# Altium PCB JetsonXavier_v1.PcbDoc (continued)
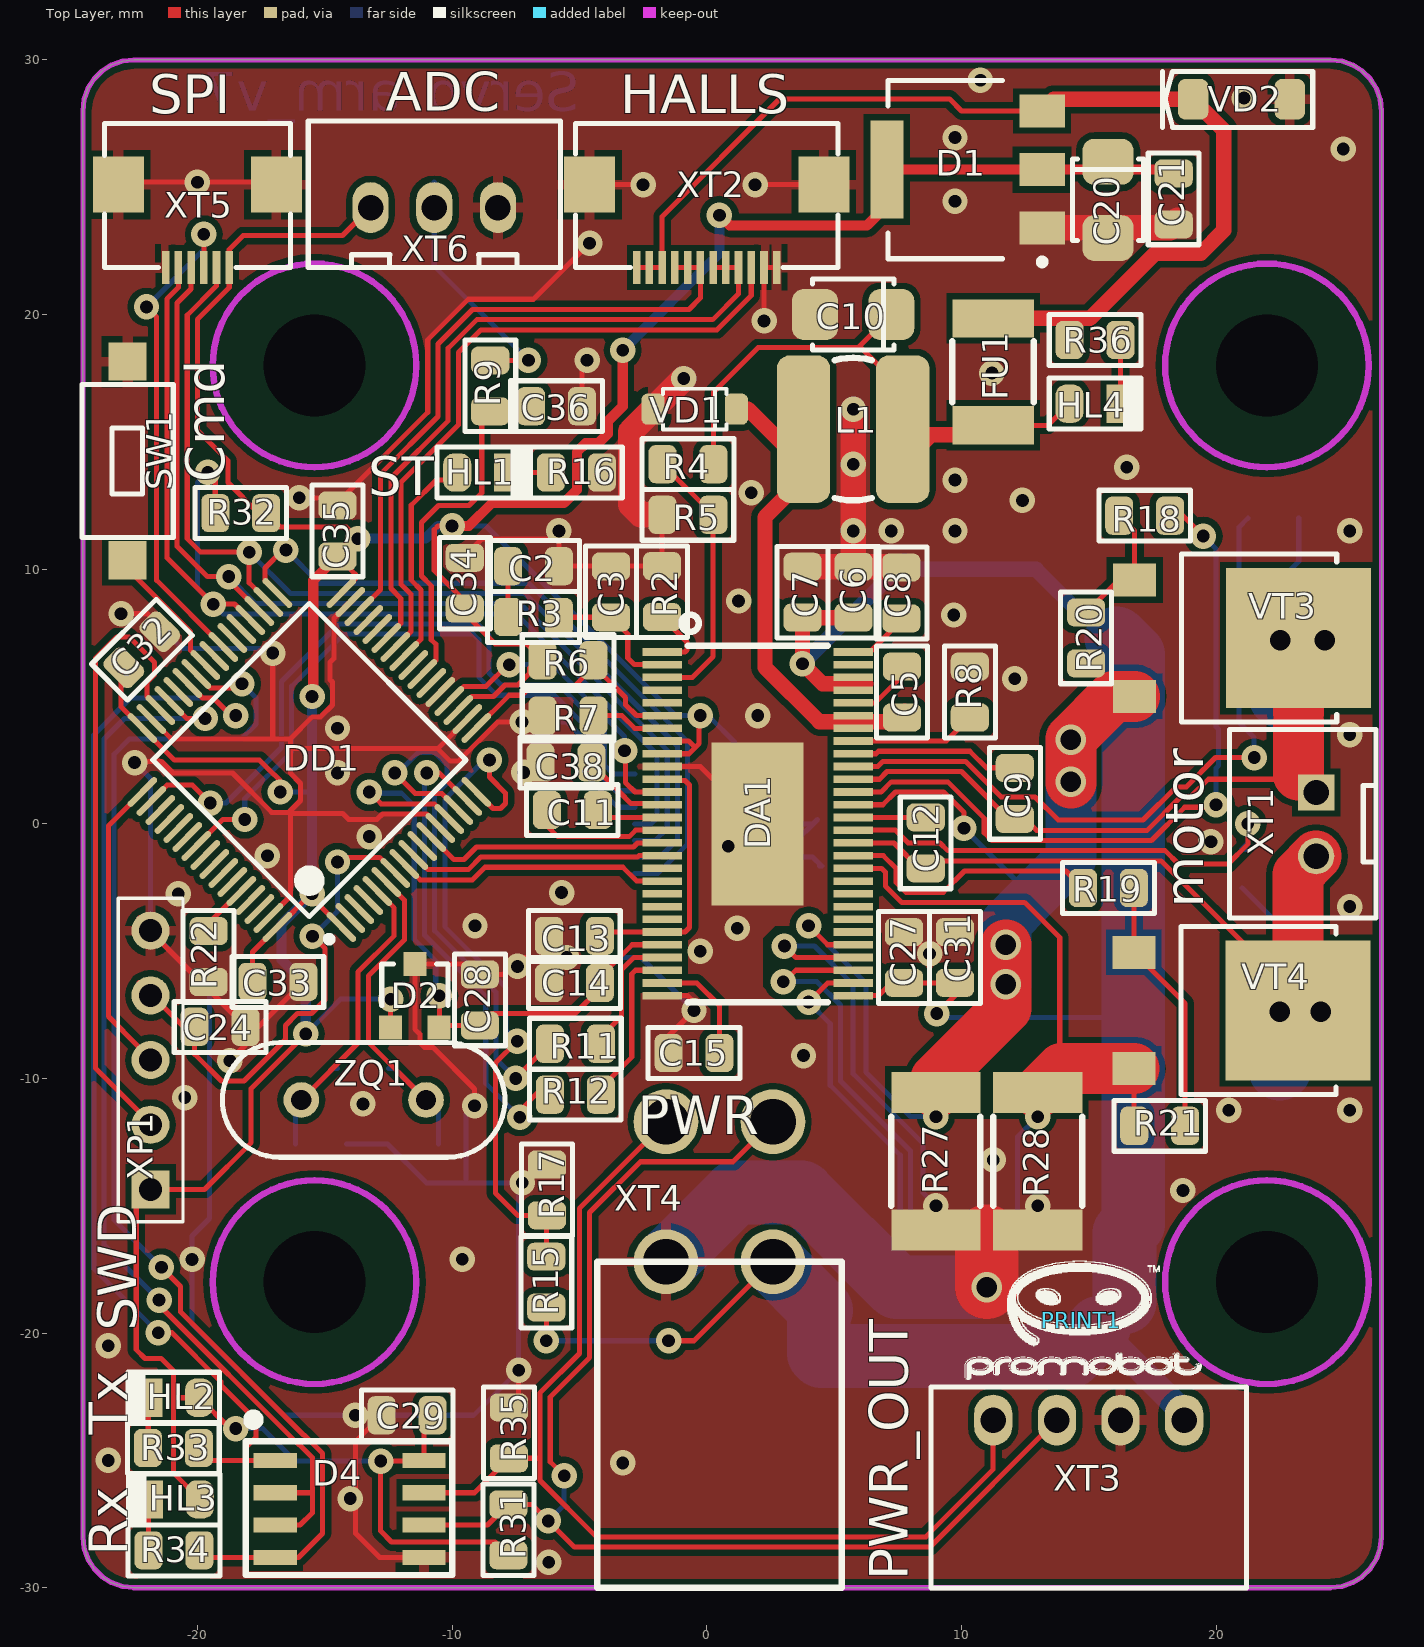
[diagram p0: Top Layer view]
## Nets (pads, with @x,y where several pads share a name; then routed paths per layer and width w, separated by ;. In a path a pad name is that pad's centre, name@x,y a point inside that pad or via, vN(x,y) a via of type N, cw(c..) or ccw(c..) an arc to the next point about the centre after c; other vN are vias at no path point)
3.3_INTERNAL: C13.2 DA1.11 DA1.23 | length 10.2
  Top Layer w0.2: C13.2@-4.031,-4.255 -1.755,-4.255 DA1.23 -0.852,-4.25 -0.675,-4.073 -0.675,1.524 -0.851,1.7 -1.7,1.7 DA1.11
3.3V: C20.1 C21.2 C29.2 C30.2 C32.2 C33.2 C34.2 C35.2 D1.2 D1.4 D2.1 D3.11 D3.12 D4.8 DA1.8 DA1.9 DD1.1 DD1.19 DD1.32 DD1.48 DD1.64 HL2.1 HL3.1 R6.1 R31.1 R32.1 XP1.1 XT5.1 XT6.1 | length 193.9
  Top Layer w0.2: C32.2@-22.998,6.043 -22.998,4.595 -20.903,2.5 -17.565,2.5 -16.996,1.931 -16.996,1.943 -16.75,1.697 v1(-16.75,1.25) ; HL3.1 -20.933,-25.505 -20.933,-22.444 ; v1(-18.5,-23.75) -18.721,-23.75 HL2.1 -20.837,-22.539 -20.933,-22.444 ; C33.2 -17.84,-5.031 DD1.64 -16.84,-4.052 v1@-15.537,-2.75 ; v1(-15.745,-8.25) -17.891,-10.397 -17.891,-12.522 -19.726,-14.357 XP1.1 -22.404,-14.919 -22.404,-20.652 -22.056,-21 -21.424,-21 -20.933,-21.491 -20.933,-22.444 ; v1@-15.537,-2.865 DD1.1 ; C35.2 -13.8,9.803 -13.8,9.615 DD1.32 ; v1(-13.7,11.2) -13.751,11.251 -14.153,11.653 -16.753,11.653 R32.1 -17.6,12.2 -18.8,13.4 -18.8,14.257 -20,15.457 -20,19.471 -20,19.81 -18.75,21.06 XT5.1 -18.75,22.55 -18.2,23.1 -14.3,23.1 XT6.1 ; D2.1 v1(-12.412,-6.885) ; C29.2@-11.1,-23.564 D4.8 -11.126,-25.026 v1(-12.804,-25.026) -12.804,-27.777 -12.377,-28.203 -8.312,-28.203 R31.1 ; v1(-10,11.7) -10.55,11.7 -10.701,11.549 -10.701,9.951 -9.578,8.828 -9.195,8.828 -9.447,8.577 -9.447,8.203 -8.313,7.069 -7.089,7.069 R6.1 -6.644,6.423 -6.95,6.118 -6.95,5.919 -7.419,5.45 -7.924,5.45 -8.375,4.999 -9.223,4.999 DD1.19 ; R6.1@-6.443,6.404 R6.1@-6.197,6.404 ; DA1.9 -0.696,2.75 -0.453,2.993 ; DA1.8 -0.71,3.25 -0.453,2.993 ; v1(-0.25,4.25) -0.299,4.201 -0.299,3.146 -0.453,2.993
  Top Layer w0.4: v1(-15.5,5) -15.45,5.05 -15.45,9.553 C35.2 -13.7,11.303 v1(-13.7,11.2) ; v1(-10,11.7) -9.333,11.7 -8.433,12.6 -5.6,12.6 -5.6,12.608 -5.1,13.108 -5.1,14.6 -4.754,14.946 -4.254,14.946 -3.886,15.314 -3.886,15.814 -3.3,16.4 v1(-3.3,18.6) ; v1(0.5,23.9) 0.9,23.5 6.3,23.5 7,24.2 7,25.618 D1.4 D1.2 18.188,25.691 C21.2
  Bottom Layer w0.2: v1(-18.5,-23.75) -17.437,-23.75 -16.161,-25.026 v1(-12.804,-25.026) ; v1(-16.75,1.25) -15.501,1.25 -15.5,1.251 ; v1(-15.745,-8.25) -14.379,-6.885 v1(-12.412,-6.885) ; v1(-10,11.7) -8.666,11.7 -1.216,4.25 v1(-0.25,4.25) ; v1@0.159,4.15 1.094,3.215 1.094,0 D3.11 2.83,-0.005 C30.2@4.172,-0.005 ; D3.12 3.527,-0.65 C30.2@4.172,-0.005 ; C30.2@4.347,0.17 C30.2@4.172,-0.005
  Bottom Layer w0.4: v1(-15.745,-8.25) -15.745,-6.297 -16.7,-5.341 -16.7,-3.95 v1@-15.54,-2.79 ; v1(-15.5,-2.75) -15.5,1.251 v1(-15.5,5) ; v1(-13.7,11.2) -11.05,11.2 -10.55,11.7 v1(-10,11.7) ; v1(-3.3,18.6) 0.5,22.4 v1(0.5,23.9)
5V: D1.3 FU1.2 R36.1 VD2.1 XT2.10 XT2.11 XT2.12 | length 42.3
  Top Layer w0.2: XT2.12 XT2.11 XT2.10 -1.75,23.85 2.861,28.461 9.539,28.461 10.009,27.991 D1.3
  Top Layer w0.6: FU1.2 15.05,19.85 17.6,22.4 19.4,22.4 20.3,23.3 20.3,27.25 VD2.1 13.632,28.45 D1.3
5VGEN: C10.1 FU1.1 HL4.1 L1.2 R4.1 | length 22.1
  Top Layer w0.2: R4.1 0.264,16.947 2.016,18.7 5.95,18.7 6,18.75 ; C10.1 6,18.75 ; L1.2 7.7,17.05 6,18.75 ; FU1.1 13.4,15.65 HL4.1
  Top Layer w0.6: L1.2@7.671,14.135 8.811,15.274 FU1.1@10.919,15.274
33V: C6.1 C7.1 C16.1 C17.1 C18.1 C19.2 C22.2 C23.2 C27.2 C31.2 C37.1 DA1.29 DA1.53 DA1.54 R15.1 VT1.2 VT2.2 XT3.1 XT4.1 | length 93.1
  Top Layer w0.2: v1(-6.3,-20.3) R15.1 ; v1(-1.5,-20.3) -0.5,-20.3 XT4.1 ; DA1.29 6.75,-6.75 7.25,-6.25 C31.2@9.25,-6.25 ; v1(9.037,-7.453) 9.75,-6.74 C31.2
  Top Layer w0.6: C6.1 5.762,8.095 C7.1 3.757,8.091 v1(3.757,6.286) 4.543,5.501 6.25,5.501
  Bottom Layer w0.2: v1(-6.3,-20.3) v1(-1.5,-20.3) ; v1(9.037,-7.453) 9.184,-7.6 15.795,-7.6 VT2.2
  Bottom Layer w0.4: VT1.2@14.796,8.131 VT1.2@15.2,8.131
  Bottom Layer w0.6: v1(3.757,6.286) 7.463,9.992 12.936,9.992 VT1.2@14.796,8.131
  Bottom Layer w1: 16.406,-18.794 15.4,-19.8 18.75,-23.15 XT3.1
  Bottom Layer w2.5: XT4.1 4.5,-19.1 4.4,-19.2 4.4,-20.8 4.5,-20.9 C18.1 C16.1 C37.1 14.3,-20.9 15.4,-19.8 ; VT1.2 16.75,6.629 16.75,-15.725 16.406,-16.069 16.406,-18.794
485_A: D4.6 R31.2 XT3.3 XT4.3 | length 49.9
  Top Layer w0.2: D4.6 -8.605,-27.54 R31.2 -6.875,-26.725 v1(-6.225,-27.375) -5.2,-28.4 8.766,-28.4 XT3.3 ; v1(-5.6,-25.6) -6.146,-25.054 -6.146,-22.512 -4.6,-20.966 -4.6,-15.266 -2.604,-13.27 1.03,-13.27 XT4.3
  Bottom Layer w0.2: v1(-6.225,-27.375) -5.6,-26.75 v1(-5.6,-25.6)
485_B: D4.7 R35.1 XT3.4 XT4.4 | length 43
  Top Layer w0.2: D4.7 -9.122,-26.27 R35.1 -6.546,-24.916 ; XT4.4 -5,-15.1 -5,-20.8 -6.546,-22.346 -6.546,-24.916 ; XT3.4 11.25,-25.35 8.6,-28 -4.334,-28 -6.546,-25.788 -6.546,-24.916
ADC1/POS1: DD1.27 XT2.4 XT2.5 XT2.6 | length 27
  Top Layer w0.2: DD1.27 -12.016,7.863 -12.016,8.85 -12.404,9.237 -12.404,13.578 -10.154,15.827 -10.154,18.675 -9.029,19.8 -7.4,19.8 0.234,19.8 1.25,20.816 XT2.4 XT2.5 XT2.6
ADC2/POS2: DD1.30 XT2.7 XT2.8 XT2.9 | length 25
  Top Layer w0.2: DD1.30 -12.804,9.197 -12.804,13.743 -10.554,15.993 -10.554,18.84 -9.195,20.2 -0.7,20.2 -0.25,20.65 XT2.7 XT2.8 XT2.9
AS_CS: D3.1 DD1.33 | length 27.9
  Top Layer w0.2: DD1.33 -17.349,9.553 -17.349,10.048 -16.647,10.75 v1(-16.526,10.75)
  Bottom Layer w0.2: v1@-16.636,10.75 v1(-16.526,10.75) -15.223,9.447 -6.979,9.447 -0.75,3.218 -0.75,-0.781 -1.919,-1.95 D3.1
AS_CS_OUT: DD1.39 XT5.3 | length 19.8
  Top Layer w0.2: v1(-22,20.299) -21.6,19.899 -21.6,9.561 DD1.39 ; XT5.3 v1(-19.75,23.15) v1@-19.7,23.2
  Bottom Layer w0.2: v1(-22,20.299) -19.75,22.549 v1(-19.75,23.15)
AS_MISO: D3.3 DD1.35 XT5.4 | length 40.1
  Top Layer w0.2: XT5.4 -20.25,21 -20.8,20.45 -20.8,19.802 -20.8,10.9 -19.611,9.711 v1(-18.769,9.711) -18.769,9.559 DD1.35
  Bottom Layer w0.2: v1(-18.769,9.711) -17.706,8.647 -7.31,8.647 -1.55,2.887 -1.55,-0.182 -2.018,-0.65 D3.3
AS_MOSI: D3.4 DD1.36 R32.2 XT5.5 | length 46.5
  Top Layer w0.2: XT5.5 -20.75,21.066 -21.2,20.616 -21.2,19.968 -21.2,10.444 v1(-19.384,8.628) -18.545,8.628 DD1.36 ; v1(-19.6,13.8) -19.3,13.5 R32.2
  Bottom Layer w0.2: v1(-19.6,13.8) -20,13.4 -20,9.244 v1(-19.384,8.628) -19.003,8.247 -7.476,8.247 -1.95,2.721 -1.95,0.976 ; D3.4 -2.182,0 -1.95,0.232 -1.95,0.974
AS_SCK: D3.2 DD1.34 XT5.2 | length 41.6
  Top Layer w0.2: XT5.2 -19.25,21.126 -20.4,19.976 -20.4,19.636 -20.4,11.198 -19.871,10.669 v1(-17.969,10.669) -17.969,9.466 DD1.34
  Bottom Layer w0.2: v1(-17.969,10.669) -16.348,9.047 -7.145,9.047 -1.15,3.052 -1.15,-0.615 -1.835,-1.3 D3.2
BR_SO1: DD1.14 R11.2 | length 22.2
  Top Layer w0.2: DD1.14 -10.406,1.195 -11.445,1.195 v1(-12.25,2) ; v1(-7.5,-10) -7.5,-9.978 R11.2 ; v1@-12.506,1.971 -12.535,2 v1@-12.477,2 ; v1@-12.506,1.971 v1@-12.477,2 ; v1@-12.506,1.971 -12.392,1.858 v1(-12.25,2) ; v1@-12.477,2 v1(-12.25,2)
  Bottom Layer w0.2: v1(-12.25,2) -12.131,2 -11.331,2.8 -10.669,2.8 -10.2,2.331 -10.2,1.602 -10.685,1.117 -10.685,-4.204 -8.277,-6.612 -8.277,-9.223 v1(-7.5,-10)
BR_SO2: DD1.15 R12.2 | length 18.6
  Top Layer w0.2: v1(-11,2) -10.503,2 DD1.15 ; v1(-7.347,-11.521) -7.347,-11.267 -6.499,-10.419 -6.499,-10.268 R12.2@-6.19,-10.268
  Bottom Layer w0.2: v1@-11.085,1.6 -11.085,-4.37 -8.677,-6.778 -8.677,-10.191 v1(-7.347,-11.521)
BTN1: DD1.41 SW1.1 | length 5.4
  Top Layer w0.2: SW1.1 -22.75,10.018 -20.266,7.535 -20.266,6.813 DD1.41
CS485: D4.2 D4.3 DD1.45 | length 42.9
  Top Layer w0.2: v1(-21.505,-18.704) -21.505,-18.893 -15.998,-24.4 -15.976,-24.4 -15.489,-24.887 -15.489,-26.27 ; DD1.45 -20.419,4.138 v1(-19.702,4.138) v1@-19.702,4.114 ; D4.3 -15.968,-27.54 -15.489,-27.061 -15.489,-26.27 ; D4.2 -15.489,-26.27
  Bottom Layer w0.2: v1(-21.505,-18.704) -23.671,-16.539 -23.671,3.327 -22.86,4.138 v1(-19.702,4.138)
DC_CAL: DA1.12 DD1.20 | length 12.1
  Top Layer w0.2: DD1.20 -9.53,5.399 -8.665,5.399 -7.815,6.25 v1(-7.75,6.25) ; v1(-3.225,2.865) -3.186,2.825 -3.186,1.617 -2.819,1.25 DA1.12
  Bottom Layer w0.2: v1(-7.75,6.25) -6.045,6.25 -3.225,3.43 v1(-3.225,2.865)
DETECT_POS: DD1.26 XT2.3 | length 26.4
  Top Layer w0.2: DD1.26 -11.616,7.556 -11.616,9.016 -12.004,9.403 -12.004,13.412 -9.754,15.662 -9.754,18.509 -8.863,19.4 0.4,19.4 1.75,20.75 XT2.3
EN_GATE: DA1.16 DD1.11 | length 9.7
  Top Layer w0.2: DD1.11 -9.932,-1.4 -9.531,-1.4 -9.037,-0.906 -2.879,-0.906 -2.723,-0.75 DA1.16
ENC_A: D3.7 DD1.50 | length 28.1
  Top Layer w0.2: DD1.50 -21.191,1.517 -20.198,1.517 v1(-19.496,0.814)
  Bottom Layer w0.2: v1(-19.496,0.814) -18.883,0.814 -16.7,2.997 -16.7,5.587 -14.44,7.847 -8.999,7.847 -8.55,7.398 -8.55,5.919 -8.081,5.45 -5.81,5.45 -4.025,3.665 -4.025,2.315 -3.659,1.95 D3.7
ENC_B: D3.6 DD1.55 | length 26.9
  Top Layer w0.2: DD1.55 -19.003,0.17 v1(-18.142,0.17)
  Bottom Layer w0.2: v1(-18.142,0.17) -18.142,0.989 -16.3,2.831 -16.3,5.401 -14.254,7.447 -9.165,7.447 -8.95,7.232 -8.95,5.753 -8.247,5.05 -5.976,5.05 -4.425,3.499 -4.425,2.15 -3.575,1.3 D3.6
FAULT: DA1.6 DD1.17 R6.2 | length 9.5
  Top Layer w0.2: DD1.17 -7.759,5.05 -7.253,5.05 -6.979,5.324 -5.277,5.324 R6.2@-4.197,6.404 ; R6.2@-4.041,6.235 -4.041,5.815 -3.186,4.959 -3.186,4.674 -2.762,4.25 DA1.6
GH_A: DA1.47 R13.2 | length 27.6
  Top Layer w0.2: DA1.47 6.716,2.25 6.916,2.45 10.168,2.45 11.568,1.05 12.895,1.05 13.8,0.145 17.132,0.145 18.437,1.45 18.834,1.45 19.984,2.6 v1(21.5,2.6)
  Bottom Layer w0.2: R13.2 20.9,11.65 20.9,3.992 21.5,3.392 v1(21.5,2.6)
GH_B: DA1.42 R14.2 | length 18.5
  Top Layer w0.2: DA1.42 7.416,-0.25 7.916,-0.75 9.163,-0.75 9.468,-1.055 18.004,-1.055 18.525,-1.575 20.475,-1.575 21.25,-0.8 v1(21.25,0)
  Bottom Layer w0.2: R14.2 21,-1 21.25,-0.75 v1(21.25,0)
GL_A: DA1.45 R18.2 | length 28.8
  Top Layer w0.2: DA1.45 6.85,1.25 7.25,1.65 9.466,1.65 10.9,0.216 10.9,-0.355 11.2,-0.655 17.464,-0.655 18.768,0.65 19.9,0.65 v1(20,0.75) ; R18.2 18.7,12.1 v1(19.5,11.3)
  Bottom Layer w0.2: v1(19.5,11.3) 20,10.8 20,3.813 20.1,3.713 20.1,2.287 20,2.187 v1(20,0.75)
GL_B: DA1.40 R19.2 | length 10.6
  Top Layer w0.2: DA1.40 6.937,-1.25 7.443,-1.757 7.443,-2.306 7.827,-2.69 9.287,-2.69 10.122,-1.855 14.111,-1.855 R19.2
H1: DA1.17 DD1.9 | length 10.2
  Top Layer w0.2: DD1.9 -10.946,-1.8 -9.366,-1.8 -8.872,-1.306 -2.713,-1.306 -2.657,-1.25 DA1.17
H2: DA1.19 DD1.8 | length 10.8
  Top Layer w0.2: DD1.8 -11.253,-2.2 -9.2,-2.2 -8.706,-1.706 -3.294,-1.706 -2.75,-2.25 DA1.19
I: D3.14
MTR_TMP: DD1.10
NetC2_2: C2.2 R3.1 | length 2
  Top Layer w0.2: R3.1 C2.2
NetC3_1: C3.1 DA1.2 R3.2 | length 5.4
  Top Layer w0.2: R3.2 -5.791,8.11 C3.1 -3.1,7.454 -3.1,6.511 -2.839,6.25 DA1.2
NetC5_1: C5.1 DA1.52 | length 3.1
  Top Layer w0.2: DA1.52 6.616,4.75 7.852,5.986 C5.1@7.852,6.423
NetC5_2: C5.2 DA1.50 DA1.51 L1.1 VD1.1 | length 18.6
  Top Layer w0.6: VD1.1 1.623,16.283 3.771,14.135 3.771,13.521 2.291,12.041 2.291,6.138 4.421,4.008 7.349,4.008 C5.2@7.773,4.432
NetC8_2: C8.2 DA1.56 | length 2.6
  Top Layer w0.2: DA1.56 6.41,6.75 C8.2@7.769,8.109
NetC9_1: C9.1 DA1.48 | length 7.1
  Top Layer w0.2: DA1.48 6.65,2.75 6.75,2.85 10.334,2.85 10.984,2.2 C9.1@12.5,2.2
NetC11_1: C11.1 DA1.15 | length 5.4
  Top Layer w0.2: C11.1 -6.277,-0.077 -5.848,-0.506 -3.044,-0.506 -2.789,-0.25 DA1.15
NetC11_2: C11.2 DA1.14 | length 2.3
  Top Layer w0.2: C11.2@-4.031,0.248 -1.752,0.248 DA1.14
NetC12_1: C12.1 DA1.43 | length 3.2
  Top Layer w0.2: DA1.43 C12.1@9,0.25
NetC15_2: C15.2 DA1.27 | length 4.5
  Top Layer w0.2: DA1.27 -0.387,-6.25 0.5,-7.137 C15.2
NetC38_2: C38.2 DA1.13 | length 3.2
  Top Layer w0.2: C38.2@-4.356,2.15 -4.037,1.831 -4.037,1.858 -3.773,1.594 -3.764,1.594 -3.427,1.257 -3.427,1.248 -2.979,0.8 -1.8,0.8 DA1.13
NetDA1_1: DA1.1 R2.2 | length 2.7
  Top Layer w0.2: R2.2 -0.776,7.139 -0.776,6.826 -0.852,6.75 DA1.1
NetDA1_3: DA1.3 R4.2 R5.1 | length 10.7
  Top Layer w0.2: DA1.3 -0.568,5.75 0.251,6.57 0.251,12.134 R4.2
NetDA1_7: DA1.7 R7.1 | length 2.5
  Top Layer w0.2: R7.1@-4.036,4.246 -3.324,4.246 -2.827,3.75 DA1.7
NetDA1_25: DA1.25 R11.1 | length 4.6
  Top Layer w0.2: R11.1@-4.031,-8.248 -3.343,-7.56 -3.343,-5.73 -2.864,-5.25 DA1.25
NetDA1_26: DA1.26 R12.1 | length 6.1
  Top Layer w0.2: R12.1@-4.031,-10.252 -2.943,-9.164 -2.943,-5.895 -2.798,-5.75 DA1.26
NetDA1_49: DA1.49 R8.2 | length 5
  Top Layer w0.2: DA1.49 9.407,3.25 R8.2
NetDD1_60: DD1.60 R22.2 | length 2.2
  Top Layer w0.2: R22.2@-19.865,-4.207 -18.297,-2.638 DD1.60
NetHL1_2: HL1.2 R16.1 | length 1.7
  Top Layer w0.2: HL1.2 R16.1
NetHL2_2: HL2.2 R33.2 | length 2
  Top Layer w0.2: R33.2 -21.931,-24.499 HL2.2
NetHL3_2: HL3.2 R34.2 | length 2
  Top Layer w0.2: R34.2 -21.922,-26.546 HL3.2
NetHL4_2: HL4.2 R36.2 | length 2.5
  Top Layer w0.2: HL4.2 R36.2
NetR9_1: R9.1 XT6.2 | length 10
  Top Layer w0.2: R9.1 v1(-7,18.2)
  Bottom Layer w0.2: -10.7,25.2 -10.7,21.9 v1(-7,18.2)
NetR13_1: R13.1 VT1.1 | length 3.2
  Bottom Layer w0.2: VT1.1@22.077,9.577 VT1.1 23.25,10.299 R13.1
NetR14_1: R14.1 VT2.1 | length 3.1
  Bottom Layer w0.2: R14.1@21.028,-2.521 22.503,-3.997 VT2.1
NetR18_1: R18.1 R20.2 VT3.1 | length 5.2
  Top Layer w0.2: R20.2 16.177,9.577 VT3.1 16.801,11.499 R18.1
NetR19_1: R19.1 R21.2 VT4.1 | length 10.2
  Top Layer w0.2: R19.1 VT4.1 18.789,-7.058 R21.2
OSC_IN: C1.2 DD1.5 R1.1 ZQ1.2 | length 13.8
  Top Layer w0.2: ZQ1.2 -13.69,-8.612 -13.69,-5.813 -12.276,-4.399 -12.276,-3.299 DD1.5
  Bottom Layer w0.2: C1.2 -16.153,-11.076 ZQ1.2 -14.682,-9.604 R1.1
OSC_OUT: C4.2 DD1.6 R1.2 ZQ1.1 | length 14.3
  Top Layer w0.2: DD1.6 -11.876,-2.992 -11.876,-4.565 -13.29,-5.979 -13.29,-8.578 ZQ1.1
  Bottom Layer w0.2: R1.2 -12.263,-9.604 ZQ1.1 -10.532,-11.336 C4.2
POTENT: C36.2 DD1.23 R9.2 | length 14
  Top Layer w0.2: DD1.23 -10.638,6.414 -10.638,7.051 -10.816,7.229 -10.816,9.347 -11.204,9.734 -11.204,11.834 -10.538,12.5 -9.335,12.5 -8.835,13 R9.2@-8.835,15.716 ; R9.2 C36.2@-6.443,16.2
RESET: C24.1 DD1.7 XP1.4 | length 19.9
  Top Layer w0.2: XP1.4@-22.291,-6.232 -20.549,-7.973 C24.1 -20.109,-9.048 -19.056,-10.101 -18.171,-10.101 -16.545,-8.475 -16.545,-7.919 -16.076,-7.45 -15.52,-7.45 -14.99,-6.92 -14.99,-4.89 -15.468,-4.411 v1(-15.483,-4.411) ; v1(-14.5,-1.5) v1@-14.351,-1.351 ; v1@-14.351,-1.27 v1@-14.351,-1.351 ; DD1.7 -12.843,-1.317 -14.317,-1.317 v1@-14.351,-1.351
  Bottom Layer w0.2: v1(-15.483,-4.411) -14.5,-3.429 v1(-14.5,-1.5)
RX485: D4.1 DD1.43 R33.1 | length 43.7
  Top Layer w0.2: v1(-21.542,-19.988) -21,-19.988 -19.081,-21.907 -19.081,-22.037 -17.7,-23.419 -17.7,-24.1 -18.1,-24.5 -18.1,-25 ; DD1.43 -19.805,4.938 -19.37,4.938 -18.683,4.25 v1(-18.5,4.25) ; R33.1 -19.459,-25 -18.1,-25 ; D4.1 -18.1,-25
  Bottom Layer w0.2: v1(-21.542,-19.988) -24.071,-17.459 -24.071,3.492 -22.625,4.938 -19.37,4.938 -18.683,4.25 v1(-18.5,4.25)
SH_A: C9.2 DA1.46 VT1.3 VT3.2 XT1.1 | length 28.4
  Top Layer w0.2: DA1.46 6.781,1.75 7.081,2.05 10.002,2.05 11.852,0.2 12.5,0.2 12.955,-0.255 17.298,-0.255 18.603,1.05 19,1.05 19.7,1.75 23.07,1.75 XT1.1@23.241,1.921
  Top Layer w2: XT1.1@23.241,1.921 23.241,3.991 ; 23.241,4.36 VT3.2
  Bottom Layer w2.5: VT1.3 v2(22.527,7.209) v2(24.276,7.209)
SH_B: C12.2 DA1.41 VT2.3 VT4.2 XT1.2 | length 30.4
  Top Layer w0.2: DA1.41 7.35,-0.75 8.35,-1.75 9,-1.75 9.295,-1.455 17.839,-1.455 VT4.2@23.218,-6.834
  Top Layer w2: VT4.2 23.218,-6.834 23.218,-1.985 XT1.2
  Bottom Layer w2.5: VT2.3 v2(22.503,-7.374) v2(24.112,-7.374)
SL_A: C25.2 DA1.33 DA1.44 R20.1 R27.1 VT3.3 | length 45.3
  Top Layer w0.2: v1@4,-3.75 v1(4,-4) 4.75,-4.75 DA1.33 ; DA1.44 6.916,0.75 7.416,1.25 9.3,1.25 10.1,0.45 v1(10.1,-0.179) ; v1(9,-11.5) R27.1
  Top Layer w2: R27.1 9,-10 11.75,-7.25 v2(11.75,-4.75) ; v2@14.3,1.6 14.3,3.333 15.973,5.007 VT3.3
  Bottom Layer w0.2: v1(4,-4) 6.25,-6.25 6.25,-9.75 8,-11.5 v1(9,-11.5) ; v1(10.1,-0.179) 12.755,-2.834 12.755,-2.9
  Bottom Layer w2: v2(11.75,-6.3) 11.75,-3.905 12.755,-2.9 14.3,-1.355 v2@14.3,3.333
  other v2: 14.3,1.65 14.3,3.3
SL_B: C26.2 DA1.31 DA1.39 R21.1 R28.1 VT4.3 | length 48.5
  Top Layer w0.2: v1(3,-6.2) v1@3,-6.25 ; v1@3.197,-6.447 v1@3,-6.25 ; DA1.31 3.5,-5.75 v1@3,-6.25 ; DA1.39 6.871,-1.75 7.021,-1.9 7.021,-2.45 7.661,-3.09 12.485,-3.09 13.863,-4.468 13.863,-8.7 14.78,-9.616 VT4.3 16.778,-11.847 R21.1 ; v1(13,-11.5) R28.1
  Top Layer w2: R28.1 13.934,-9.616 VT4.3
  Bottom Layer w0.2: v1(3,-6.2) 4.331,-6.2 5.25,-7.119 5.25,-10.1 8,-12.85 8,-15.357 8.443,-15.8 11.7,-15.8 12.2,-15.3 12.2,-12.3 v1(13,-11.5)
SP1: C1.1 C2.1 C3.2 C4.1 C6.2 C7.2 C8.1 C10.2 C13.1 C14.1 C15.1 C16.2 C17.2 C18.2 C19.1 C20.2 C21.1 C22.1 C23.1 C24.2 C25.1 C26.1 C27.1 C28.1 C29.1 C30.1 C31.1 C32.1 C33.1 C34.1 C35.1 C36.1 C37.2 C38.1 D1.1 D2.3 D3.5 D3.13 D4.5 DA1.10 DA1.28 DA1.30 DA1.32 DA1.57 DD1.12 DD1.18 DD1.21 DD1.31 DD1.47 DD1.63 R2.1 R5.2 R7.2 R8.1 R16.2 R17.2 R22.1 R27.2 R28.2 R35.2 SW1.2 VD1.2 VD2.2 XP1.5 XT2.0 XT2.1 XT2.2 XT3.2 XT4.2 XT5.0 XT5.6 XT6.3 | length 299.6
  Top Layer w0.2: XT5.0@-23.1,25.1 -23,25.2 v1(-20,25.2) -17,25.2 XT5.0@-16.9,25.1 ; v1(-23,8.25) -21.971,8.25 C32.1@-21.372,7.65 ; v1(-22.471,2.405) -22.508,2.443 -21.411,2.443 -20.963,1.995 -18.626,1.995 -17.081,0.45 -16.419,0.45 -16.35,0.519 ; XP1.5@-22.291,-3.692 -22.291,-3.782 -18.109,-7.963 C24.2 ; DD1.47 -21.033,3.338 -17.049,3.338 ; v1(-18.724,-9.301) -18.109,-8.685 C24.2 ; DD1.63 -16.35,-2.834 -16.35,0.402 ; v1(-17.041,6.706) -17.041,3.345 -17.049,3.338 ; v1(-16,12.8) C35.1@-14.95,12.8 ; C33.1 -17.606,-7.973 C24.2 ; C35.1 -14.5,12.613 -10.954,16.159 -10.954,19.006 -9.36,20.6 -6.8,20.6 v1(-4.6,22.8) ; DD1.31 -14.632,8.076 -14.632,6.499 -14.8,6.331 -14.8,5.669 -14.7,5.569 -14.7,4.669 -15.169,4.2 -15.488,4.2 -16.35,3.338 ; v1(-13.804,-23.228) C29.1 -13.785,-24.249 -13.785,-27.867 -12.842,-28.81 D4.5 ; DD1.12 -11.008,0.383 -12.735,0.383 -12.944,0.174 -14.07,0.174 -14.297,0.402 -16.35,0.402 ; C34.1@-9.447,10.577 -8.835,11.189 v1@-5.803,11.189 ; DD1.18 -10.566,2.95 ; v1(-9.116,-11.072) -9.116,-10.411 -10.752,-8.775 -11.086,-8.775 -11.262,-8.599 -11.262,-8.265 -11.462,-8.065 D2.3 -9.326,-5.5 C28.1 -7.982,-5.916 v1@-7.549,-5.483 ; R35.2 -7.384,-22.532 v1(-7.384,-21.46) ; v1@-7.316,-5.25 v1(-5.5,-5.25) ; v1(-7.25,4) -8.208,4 -9.735,2.473 -10.088,2.473 -10.566,2.95 ; v1(-7.243,-14.099) -6.522,-13.378 R17.2 ; C38.1 -6.53,4.159 R7.2 ; v1(-5.803,11.503) v1@-5.803,11.189 ; C36.1 -4.9,18 v1(-4.7,18.2) ; XT2.0@-4.6,25.1 v1(-2.5,25.1) ; R2.1 C2.1 v1@-5.803,11.189 ; R2.1 -1.755,12.119 R5.2 ; DA1.28 -0.75,-6.75 -0.5,-7 v1(-0.5,-7.331) -1.5,-8.331 C15.1 ; DA1.10 -0.25,2.25 DA1.57 ; v1(1.9,25.1) XT2.0@4.6,25.1 ; v1(2.25,19.75) XT2.2 XT2.1 ; v1(3.05,-4.8) 3,-4.75 3.5,-5.25 DA1.32 ; v1(4,-7) 4.75,-6.25 DA1.30 ; C27.1 7.9,-4.25 v1(8.75,-5.1) 9.6,-4.25 C31.1 ; R27.2 v1(9,-15) ; R28.2 v1(13,-15) ; -17.049,3.338 -16.35,3.338 ; -16.35,0.402 -16.35,0.519 ; -16.35,0.519 -15.95,0.919 -15.95,1.581 -16.35,1.981 -16.35,2.937 ; -16.35,2.937 -16.35,3.338 ; -16.35,2.937 -16.337,2.95 -10.566,2.95
  Top Layer w1: R5.2 -2.586,12.134 -2.986,12.535 -2.986,15.402 VD1.2 v1(-0.9,17.488) ; C7.2 C6.2 ; v1(5.763,16.283) 5.75,16.27 v1(5.75,11.5) 5.75,10.109 C6.2 ; C8.1@7.769,10.11 7.755,10.096 C6.2 ; D1.1 13.182,23.4 18.198,23.4 C21.1 C21.1@18.498,23.7
  Top Layer w2.5: v2(11,-18.2) 11,-16.2
  Bottom Layer w0.2: v1@-23,8.526 v1(-23,8.25) -21.971,8.25 -20.611,6.89 -17.225,6.89 v1(-17.041,6.706) ; v1(-22.471,2.405) -21.842,1.776 XP1.5 -19.523,-6.515 -19.523,-15.5 -20.213,-16.19 v1(-20.213,-17.106) -20.213,-19.62 -16.605,-23.228 v1(-13.804,-23.228) -9.153,-23.228 v1(-7.384,-21.46) -7.384,-14.241 v1(-7.243,-14.099) -9.447,-14.099 ; C1.1 C4.1 -11.006,-14.099 -9.447,-14.099 ; v1(-9.116,-11.072) -9.447,-11.403 -9.447,-14.099 ; v1(-7.25,4) -5.492,4 -4.825,3.333 -4.825,1.984 -3.491,0.65 D3.5 ; v1(-5.5,-5.25) -2.581,-5.25 v1(-0.5,-7.331) ; v1(0.84,-0.879) 1.261,-1.3 D3.13 4.156,-1.3 C30.1 C30.1@4.423,-1.66 ; v1(3.05,-4.8) 4.234,-4.8 5.75,-6.316 5.75,-9.816 8.5,-12.566 8.5,-14.5 v1(9,-15) ; v1(4,-7) 4.85,-7.85 4.85,-10.266 7.6,-13.016 7.6,-15.523 8,-15.923 8,-15.941 8.259,-16.2 11.866,-16.2 13,-15.066 v1(13,-15)
  Bottom Layer w2.5: XT4.2 1.12,-14.48 3.727,-14.48 3.747,-14.5 3.764,-14.5 7.464,-18.2 v2(11,-18.2)
  other v1: -6.2,-29 -14,-26.5 -3.3,-25.1 -23.5,-25 -23.5,-20.5 -9.6,-17.1 18.7,-14.4 11.25,-13.2 20.5,-11.25 25.25,-11.25 -13.5,-11 -20.5,-10.75 3.8,-9.1 -7.431,-5.6 -0.25,-5 1.2,-4.1 -9.1,-4 25.25,-3.25 -20.75,-2.75 -5.7,-2.7 -17.25,-1.25 19.8,-0.7 -13.25,-0.5 -14.5,2 -7.19,2.018 25.25,3.5 -14.5,3.75 2,4.25 12.1,5.7 9.7,8.2 1.25,8.75 7.25,11.5 9.75,11.5 25.25,11.5 12.4,12.7 1.75,13 9.75,13.5 16.5,14 5.75,14.122 11.2,17.7 9.75,24.45 25,26.5 9.75,26.95 21.1,28.5 10.75,29.2
STATUS: DD1.25 HL1.1 | length 8.1
  Top Layer w0.2: DD1.25 -11.216,7.249 -11.216,9.181 -11.604,9.569 -11.604,12.513 -10.616,13.5 HL1.1@-10.25,13.5
SWCLK: DD1.49 XP1.3 | length 11.1
  Top Layer w0.2: XP1.3@-22.291,-8.772 -23.491,-7.571 -23.491,-0.076 DD1.49
SWDIO: DD1.46 XP1.2 | length 23.8
  Top Layer w0.2: XP1.2@-22.291,-11.312 -24,-9.602 -24,6.507 -23.165,7.341 -22.689,7.341 -21.681,6.333 -21.681,5.856 -21.988,5.549 -21.988,4.999 DD1.46
TX485: D4.4 DD1.42 R34.1 | length 49.4
  Top Layer w0.2: v1(-21.413,-17.419) -20.666,-18.166 -20.666,-19.166 -15.833,-24 -15.81,-24 -15.089,-24.721 -15.089,-27.871 -16.028,-28.81 D4.4 -19.645,-28.81 R34.1 ; DD1.42 -19.498,5.338 -19.205,5.338 -18.413,5.337 v1(-18.25,5.5) v1@-18.205,5.455
  Bottom Layer w0.2: v1(-21.413,-17.419) -23.271,-15.561 -23.271,2.737 -22.67,3.338 -18.281,3.338 -17.7,3.919 -17.7,4.95 v1(-18.25,5.5)
U: D3.10
U_IN: DD1.16 R15.2 R17.1 | length 26.9
  Top Layer w0.2: DD1.16 -8.396,0.6 -8.1,0.6 -7.9,0.8 -7.9,1.2 -8.535,1.835 v1(-8.535,2.506) ; v1(-7.444,-8.541) -8.3,-9.397 -8.3,-14.495 -7.416,-15.378 R17.1 -6.3,-15.406 R15.2
  Bottom Layer w0.2: v1(-8.535,2.506) -8.633,2.604 -10.285,0.951 -10.285,-4.039 -7.877,-6.447 -7.877,-8.107 v1(-7.444,-8.541)
V: D3.9
VREF: C14.2 C28.2 D2.2 DA1.24 DD1.13 | length 25.4
  Top Layer w0.2: v1@-13.085,1.25 v1(-13.25,1.25) -12.783,0.783 -10.701,0.783 DD1.13 ; v1(-10.5,-6.75) -10.5,-7.988 -10.428,-7.916 C28.2 -8.446,-7.453 -5.173,-7.453 -4.193,-6.473 C14.2 ; C14.2@-4.028,-6.25 -4.028,-5.848 -2.93,-4.75 DA1.24
  Bottom Layer w0.2: v1(-13.25,1.25) -13.2,1.2 -11.981,1.2 -11.485,0.705 -11.485,-4.536 -10.641,-5.38 -10.641,-6.609 v1(-10.5,-6.75) -10.471,-6.721 v1@-10.256,-6.721
W: D3.8
pads on no net: DA1.4 DA1.5 DA1.18 DA1.20 DA1.21 DA1.22 DA1.34 DA1.35 DA1.36 DA1.37 DA1.38 DA1.55 DD1.2 DD1.3 DD1.4 DD1.22 DD1.24 DD1.28 DD1.29 DD1.37 DD1.38 DD1.40 DD1.44 DD1.51 DD1.52 DD1.53 DD1.54 DD1.56 DD1.57 DD1.58 DD1.59 DD1.61 DD1.62

## Polygon pours and split planes (outlines as drawn)
SP1 on Top Layer "SP1_L01_P004" (solid, remove dead copper, pour order 4): -24.5,30.1 34,30.1 34,-30.15 -24.5,-30.15
SP1 on Bottom Layer "SP1_L02_P006" (solid, remove dead copper, pour order 6): -24.5,30.1 34,30.1 34,-30.15 -24.5,-30.15

## Keep-outs
Keep-Out Layer:
  circle w0.254: c22,18.001 r4
  circle w0.254: c22,-17.999 r4
  circle w0.254: c-15.402,18.001 r4
  circle w0.254: c-15.402,-17.999 r4
  circle w0.254: c22,18.001 r4
  lines w0.2: 26.5,-28.001 26.5,6 26.5,28.001 ; -24.5,-27.999 -24.5,28.001 ; -24.5,-27.999 -24.45,-28.444 ; -24.5,-27.999 -24.45,-28.444 ; -24.5,-27.999 -24.5,28.001 ; -24.5,28.001 -24.45,28.446 ; -24.5,28.001 -24.45,28.446 ; -24.45,-28.444 -24.302,-28.867 ; -24.45,-28.444 -24.302,-28.867 ; -24.45,28.446 -24.302,28.869 ; -24.45,28.446 -24.302,28.869 ; -24.302,-28.867 -24.064,-29.246 ; -24.302,-28.867 -24.064,-29.246 ; -24.302,28.869 -24.064,29.248 ; -24.302,28.869 -24.064,29.248 ; -24.064,-29.246 -23.747,-29.562 ; -24.064,-29.246 -23.747,-29.562 ; -24.064,29.248 -23.747,29.565 ; -24.064,29.248 -23.747,29.565 ; -23.747,-29.562 -23.368,-29.801 ; -23.747,-29.562 -23.368,-29.801 ; -23.747,29.565 -23.368,29.803 ; -23.747,29.565 -23.368,29.803 ; -23.368,-29.801 -22.945,-29.949 ; -23.368,-29.801 -22.945,-29.949 ; -23.368,29.803 -22.945,29.951 ; -23.368,29.803 -22.945,29.951 ; -22.945,-29.949 -22.5,-29.999 ; -22.945,-29.949 -22.5,-29.999 ; -22.945,29.951 -22.5,30.001 ; -22.945,29.951 -22.5,30.001 ; -22.5,-29.999 24.5,-29.999 ; -22.5,-29.999 24.5,-29.999 ; -22.5,30.001 24.5,30.001 ; -22.5,30.001 24.5,30.001 ; 24.5,-29.999 24.945,-29.949 ; 24.5,-29.999 24.945,-29.949 ; 24.5,30.001 24.945,29.951 ; 24.5,30.001 24.945,29.951 ; 24.945,-29.949 25.368,-29.801 ; 24.945,-29.949 25.368,-29.801 ; 24.945,29.951 25.368,29.803 ; 24.945,29.951 25.368,29.803 ; 25.368,-29.801 25.747,-29.562 ; 25.368,-29.801 25.747,-29.562 ; 25.368,29.803 25.747,29.565 ; 25.368,29.803 25.747,29.565 ; 25.747,-29.562 26.064,-29.246 ; 25.747,-29.562 26.064,-29.246 ; 25.747,29.565 26.064,29.248 ; 25.747,29.565 26.064,29.248 ; 26.064,-29.246 26.302,-28.867 ; 26.064,-29.246 26.302,-28.867 ; 26.064,29.248 26.302,28.869 ; 26.064,29.248 26.302,28.869 ; 26.302,-28.867 26.45,-28.444 ; 26.302,-28.867 26.45,-28.444 ; 26.302,28.869 26.45,28.446 ; 26.302,28.869 26.45,28.446 ; 26.45,-28.444 26.5,-27.999 26.45,-28.444 ; 26.45,28.446 26.5,28.001 ; 26.45,28.446 26.5,28.001

## Other copper
Top Layer:
  pour cut-out: 2.7,-4 2.2,-4.5 2.2,-6.4 3.5,-7.7 4.3,-7.7 5.374,-6.626 6.674,-6.626 6.9,-6.4 6.9,-4.3 6.6,-4
Bottom Layer:
  pour cut-out: 14.75,-13.4 14.75,-15 14.05,-15.7 12.9,-15.7 12.1,-16.5 8.1,-16.5 7.25,-15.65 7.25,-13.15 4.5,-10.4 4.5,-9 2.2,-6.7 2.2,-4.5 2.7,-4 4.466,-4 6.607,-6.141 6.607,-9.602 9,-11.995 9,-13.2 9.3,-13.5 10.517,-13.5 10.9,-13.883 10.9,-14.8 10.7,-15 10.4,-15 9.6,-15.8 11.7,-15.8 12.2,-15.3 12.2,-13.9 12.7,-13.4
  text "Servo_arm_v7" at -5,28 h1.52

## Silkscreen, mask and mechanical layers (free items; w line width, h text height)
Top Overlay:
  text "ADC" at -12.6,28 h1.52
  text "SPI" at -21.9,27.9 h1.52
  text "HALLS" at -3.4,27.9 h1.52
  text "Cmd" at -18.945,13.422 h1.52 r90
  text "ST" at -13.3,12.9 h1.52
  text "motor" at 19.5,-3.3 h1.52 r90
  text "PWR" at -2.7,-12.2 h1.52
  text "SWD" at -22.4,-19.9 h1.52 r90
  text "Tx" at -22.75,-24 h1.52 r90
  text "Rx" at -22.75,-28.75 h1.52 r90
  text "PWR_OUT" at 7.9,-29.7 h1.52 r90
Bottom Solder:
  text "Servo_arm_v7" at -5,28 h1.52
Mechanical 1:
  the board outline again, w0.2

## Text inside footprints (layer, text, board x,y; h text height)
VD1: Mechanical 13 "A" at -1.43,16.103 h0.5
VD2: Mechanical 13 "A" at 23.2,27.95 h1